# KiCad board KES.kicad_pcb (continued)
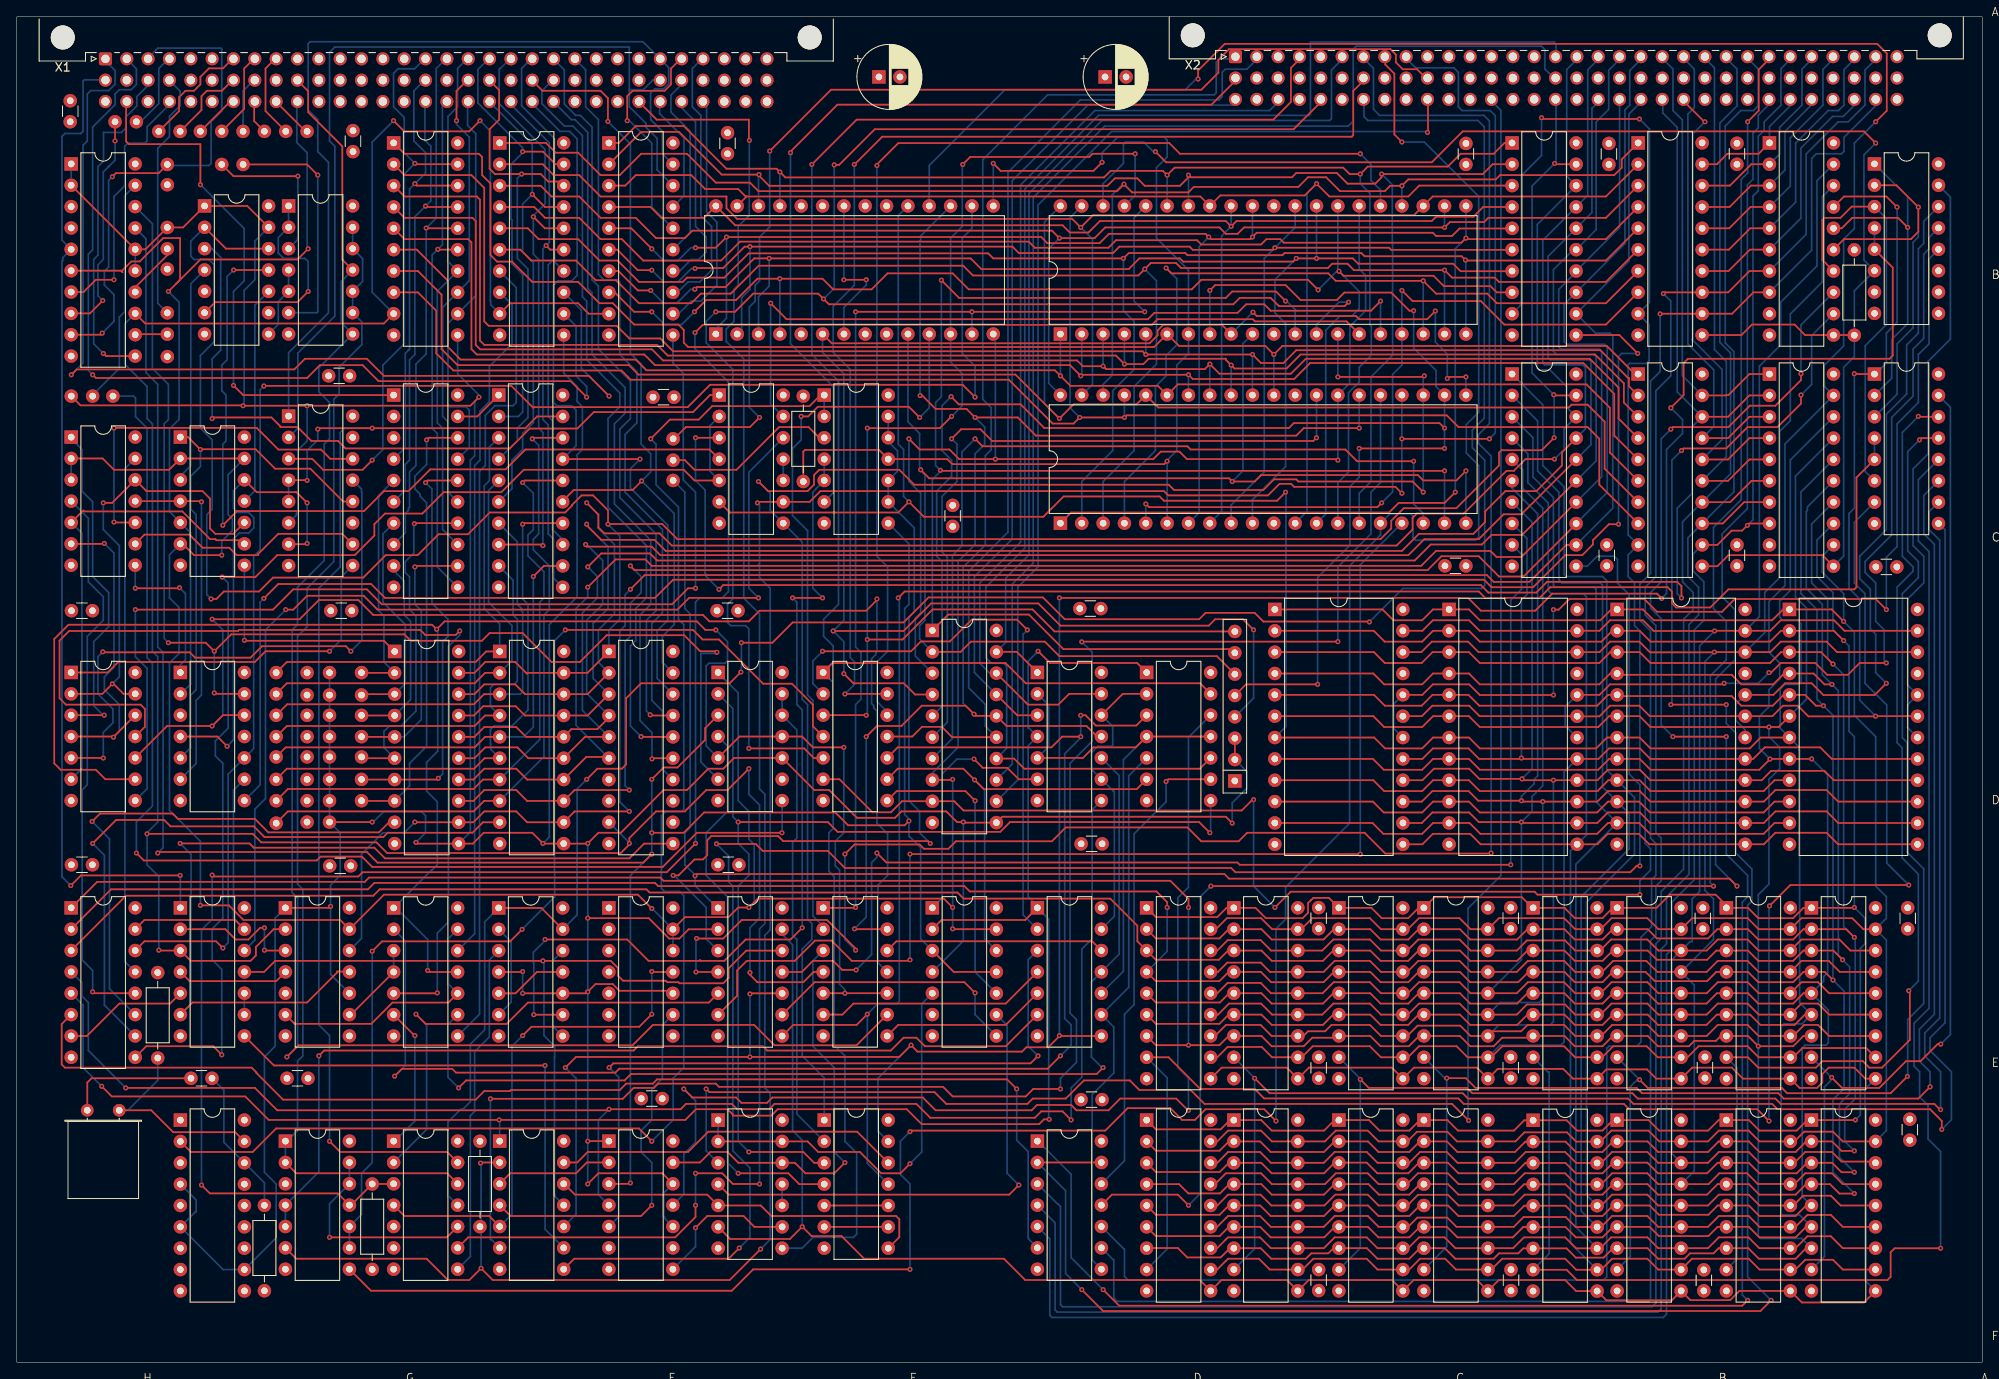
[diagram p0: board, top side]
## Nets (continued)
-DAT2: FCAM1.17 X1.c27
-DAT3: FCAM1.16 X1.a28
-DAT4: FCAM1.15 X1.b28
-DAT5: FCAM1.14 X1.c28
-DAT6: FCAM1.13 X1.a29
-DAT7: FCAM1.12 X1.c29
-DMACS: CAAS1.16 EQBM1.13
-DMARDY0: EGCO1.13 X2.b7
-EIN8: BOAM1.11 GSCO1.8
-EIN16: FCAM1.11 HECO1.8
-HALT: DUCK1.13 X2.b16
-HALTI: CABM1.18 DUCK1.7
-IEO: DACO1.13 EGCO1.1 EQEI1.8 X2.a4
-INH: DKEK1.11 X2.a26
-INIT: GSBQ1.5 GSCO1.2 HEAO1.6 X1.c10
-INT: CABM1.16 GIEK1.8 X2.a8
-INT0: X1.a7 X9.8.1
-INT1: X1.b7 X9.7.1
-INT2: X1.c7 X9.6.1
-INT3: X1.a8 X9.5.1
-INT4: X1.b8 X9.4.1
-INT5: X1.c8 X9.3.1
-INT6: X1.a9 X9.2.1
-INT7: X1.c9 X9.1.1
-INTA: EQEI1.3 X2.c13
-INTI: CAAS1.37 DUAS1.12 EGCO1.3 R2.8
-IORQ: DKCO1.13 DUCK1.18 X2.c3
-IORQI: CAAS1.10 CABM1.20 DUAS1.10 DUCK1.2 R2.6
-IOWC: FWBM1.1 X1.c2
-KESCLK: X2.b10 X701.1
-M1: DKCO1.3 DUCK1.17 X2.c1
-M1I: CAAS1.26 CABM1.27 DUAS1.14 DUCK1.3
-MRD: AEAO1.4 AEAO1.5 DKDM1.8 EGEI1.13 EQDM1.10 FMEK1.10
-MRDC: FMAM1.13 X1.a1
-MRDWR: AEBK1.4 AEBK1.5 EGEI1.11 EQDM1.8
-MREQ: DKCO1.1 DUCK1.19 X2.a6
-MRQI: CAAS1.12 CABM1.19 DUCK1.1 R2.7
-MWTC: FMAM1.12 X1.a2
-NMI: EQDM1.4 X2.a7
-NMI2: CABM1.17 EQDM1.6
-RD: DKCO1.11 DUCK1.16 EGDM1.13 X2.a1
-RDI: CAAS1.9 CABM1.21 DUAS1.6 DUCK1.4 R2.4
-RESET: DUCK1.12 X2.c10
-RESETI: CABM1.26 DUAS1.17 DUCK1.8 DUDM1.13 EQCO1.1 FCDM1.12 FCDM1.13 GIDM1.13 GSBQ1.2 GSBQ1.6 GSBQ1.13 HEBQ1.2 HEBQ1.3
-RFSH: DACO1.10 DUCK1.14 X2.a16
-RFSHI: CABM1.28 DUCK1.6
-S1: FWCM1.9 HEDM1.11
-S2: FMCM1.9 HEDM1.10
-SCLK: EQDM1.1 X2.c26 X703.1
-WAIT: CABM1.24 EQBM1.9 FMEK1.2 GIEK1.6 R5.1 X2.a9
-WAKEUP: FMBM1.19 FWEK1.13 GIBO1.4 GIBO1.5
-WERAM: AKDM1.10 AKEI1.10 ASDM1.10 ASEI1.10 BEDM1.10 BEEI1.10 BMDM1.10 BMEI1.10 BWDM1.10 BWEI1.10 CGDM1.10 CGEI1.10 CQDM1.10 CQEI1.10 DADM1.10 DAEI1.10 EQDM1.13 EQEI1.6
-WR: DUCK1.15 EGCO1.11 X2.a2
-WRI: CAAS1.8 CABM1.22 DUCK1.5 R2.5
-XACK: EGDM1.9 GIAS1.8 GIAS1.11 X1.b10
/2.05: AGCI1.3 AKDM1.2 AKEI1.2 AQBK1.14 ASDM1.2 ASEI1.2 AWCI1.3 BEDM1.2 BEEI1.2 BMDM1.2 BMEI1.2 BOCI1.3 BWDM1.2 BWEI1.2 CGCI1.3 CGDM1.2 CGEI1.2 CQDM1.2 CQEI1.2 DADM1.2 DAEI1.2
/2.06: AGCI1.2 AKDM1.1 AKEI1.1 AQBK1.13 ASDM1.1 ASEI1.1 AWCI1.2 BEDM1.1 BEEI1.1 BMDM1.1 BMEI1.1 BOCI1.2 BWDM1.1 BWEI1.1 CGCI1.2 CGDM1.1 CGEI1.1 CQDM1.1 CQEI1.1 DADM1.1 DAEI1.1
/2.07: AGCI1.1 AKDM1.17 AKEI1.17 AQBK1.12 ASDM1.17 ASEI1.17 AWCI1.1 BEDM1.17 BEEI1.17 BMDM1.17 BMEI1.17 BOCI1.1 BWDM1.17 BWEI1.17 CGCI1.1 CGDM1.17 CGEI1.17 CQDM1.17 CQEI1.17 DADM1.17 DAEI1.17
/2.08: AGCI1.23 AKDM1.16 AKEI1.16 AQAM1.19 ASDM1.16 ASEI1.16 AWCI1.23 BEDM1.16 BEEI1.16 BMDM1.16 BMEI1.16 BOCI1.23 BWDM1.16 BWEI1.16 CGCI1.23 CGDM1.16 CGEI1.16 CQDM1.16 CQEI1.16 DADM1.16 DAEI1.16
/2.09: AGCI1.22 AKDM1.15 AKEI1.15 AQAM1.18 ASDM1.15 ASEI1.15 AWCI1.22 BEDM1.15 BEEI1.15 BMDM1.15 BMEI1.15 BOCI1.22 BWDM1.15 BWEI1.15 CGCI1.22 CGDM1.15 CGEI1.15 CQDM1.15 CQEI1.15 DADM1.15 DAEI1.15
/2.10: AEBK1.1 AGCI1.19 AQAM1.17 AWCI1.19 BOCI1.19 CGCI1.19
/3.00: AGCI1.9 AKEI1.14 ASEI1.14 AWCI1.9 BEEI1.14 BMEI1.14 BOBK1.1 BOCI1.9 BWEI1.14 CGCI1.9 CGEI1.14 CQEI1.14 DAEI1.14
/3.01: AGCI1.10 AKEI1.13 ASEI1.13 AWCI1.10 BEEI1.13 BMEI1.13 BOBK1.2 BOCI1.10 BWEI1.13 CGCI1.10 CGEI1.13 CQEI1.13 DAEI1.13
/3.02: AGCI1.11 AKEI1.12 ASEI1.12 AWCI1.11 BEEI1.12 BMEI1.12 BOBK1.3 BOCI1.11 BWEI1.12 CGCI1.11 CGEI1.12 CQEI1.12 DAEI1.12
/3.03: AGCI1.13 AKEI1.11 ASEI1.11 AWCI1.13 BEEI1.11 BMEI1.11 BOBK1.4 BOCI1.13 BWEI1.11 CGCI1.13 CGEI1.11 CQEI1.11 DAEI1.11
/3.04: AGCI1.14 AKDM1.14 ASDM1.14 AWCI1.14 BEDM1.14 BMDM1.14 BOBK1.5 BOCI1.14 BWDM1.14 CGCI1.14 CGDM1.14 CQDM1.14 DADM1.14
/3.05: AGCI1.15 AKDM1.13 ASDM1.13 AWCI1.15 BEDM1.13 BMDM1.13 BOBK1.6 BOCI1.15 BWDM1.13 CGCI1.15 CGDM1.13 CQDM1.13 DADM1.13
/3.06: AGCI1.16 AKDM1.12 ASDM1.12 AWCI1.16 BEDM1.12 BMDM1.12 BOBK1.7 BOCI1.16 BWDM1.12 CGCI1.16 CGDM1.12 CQDM1.12 DADM1.12
/3.07: AGCI1.17 AKDM1.11 ASDM1.11 AWCI1.17 BEDM1.11 BMDM1.11 BOBK1.8 BOCI1.17 BWDM1.11 CGCI1.17 CGDM1.11 CQDM1.11 DADM1.11
/A12: AEAO1.2 AEBK1.3 AQAM1.15
/A13: AEAO1.3 AEBK1.6 AQAM1.14
/Blatt 2/6.00: BCBK1.1 CAAS1.6 CABM1.30 FWAM1.1
/Blatt 2/6.01: BCBK1.2 CAAS1.5 CABM1.31 FWAM1.2
/Blatt 2/6.02: BCBK1.3 CAAS1.4 CABM1.32 FWAM1.3
/Blatt 2/6.03: BCBK1.4 CAAS1.3 CABM1.33 FWAM1.4
/Blatt 2/6.04: BCBK1.5 CAAS1.2 CABM1.34 FWAM1.5
/Blatt 2/6.05: BCBK1.6 CAAS1.1 CABM1.35 FWAM1.6
/Blatt 2/6.06: BCBK1.7 CAAS1.40 CABM1.36 FWAM1.7
/Blatt 2/6.07: BCBK1.8 CAAS1.39 CABM1.37 FWAM1.8
/Blatt 2/6.08: BCAM1.1 CAAS1.24 CABM1.38 FMAM1.1
/Blatt 2/6.09: BCAM1.2 CAAS1.23 CABM1.39 FMAM1.2
/Blatt 2/6.10: BCAM1.3 CAAS1.22 CABM1.40 FMAM1.3
/Blatt 2/6.11: BCAM1.4 CAAS1.21 CABM1.1 FMAM1.4
/Blatt 2/6.12: BCAM1.5 CAAS1.20 CABM1.2 FMAM1.5
/Blatt 2/6.13: BCAM1.6 CAAS1.19 CABM1.3 FMAM1.6
/Blatt 2/6.14: BCAM1.7 CAAS1.18 CABM1.4
/Blatt 2/6.15: BCAM1.8 CAAS1.17 CABM1.5
/Blatt 2/7.00: BOAM1.1 CAAS1.35 CABM1.14 DUAS1.25 FCAM1.1
/Blatt 2/7.01: BOAM1.2 CAAS1.34 CABM1.15 DUAS1.26 FCAM1.2
/Blatt 2/7.02: BOAM1.3 CAAS1.33 CABM1.12 DUAS1.27 FCAM1.3
/Blatt 2/7.03: BOAM1.4 CAAS1.32 CABM1.8 DUAS1.28 FCAM1.4
/Blatt 2/7.04: BOAM1.5 CAAS1.31 CABM1.7 DUAS1.1 FCAM1.5
/Blatt 2/7.05: BOAM1.6 CAAS1.29 CABM1.9 DUAS1.2 FCAM1.6
/Blatt 2/7.06: BOAM1.7 CAAS1.28 CABM1.10 DUAS1.3 FCAM1.7
/Blatt 2/7.07: BOAM1.8 CAAS1.27 CABM1.13 DUAS1.4 FCAM1.8
/Blatt 2/8.01: FWBM1.5 FWCM1.2 J1.1
/Blatt 2/8.02: FWBM1.7 FWCM1.3 J3.1
/Blatt 2/8.03: FWBM1.9 FWCM1.4 J5.1
/Blatt 2/8.04: FWBM1.12 FWCM1.5 J6.1
/Blatt 2/8.05: FWBM1.14 FWCM1.6 J9.1
/Blatt 2/8.06: FWBM1.16 FWCM1.7 J10.1
/Blatt 2/8.07: FWBM1.18 FWCM1.8 J11.1
/Blatt 2/8.08: FMBM1.3 FMCM1.1 J17.1
/Blatt 2/8.09: FMBM1.5 FMCM1.2 J18.1
/Blatt 2/8.10: FMBM1.7 FMCM1.3 J19.1
/Blatt 2/8.11: FMBM1.9 FMCM1.4 J20.1
/Blatt 2/8.12: FMBM1.12 FMCM1.5 J21.1
/Blatt 2/8.13: FMBM1.14 FMCM1.6 J22.1
/Blatt 2/8.14: FMBM1.16 FMCM1.7 J23.1
/Blatt 2/8.15: FMBM1.18 FMCM1.8 J24.1
/Blatt 3/11.40: DACO1.1 DKCO1.4 DKDM1.1 DUDM1.2 FMEK1.1 HEDM1.5
/Blatt 3/11.53: DKEK1.6 HEDM1.6
/Blatt 3/11.60: DKCO1.8 FCEK1.4 HEDM1.4
/Blatt 3/11.66: GSCO1.9 GSDM1.13 HEDM1.15
/Blatt 3/11.87: EQCO1.8 X1009.1
/Blatt 3/11.88: DACO1.9 DKEK1.12
/Blatt 3/11.91: GIAS1.6 X9.9.1
/Blatt 3/11.92: EQCO1.6 GSCO1.13 HEAO1.18
/Blatt 3/11.97: GIAS1.3 X9.10.1
A0: AGCI1.8 AKDM1.5 AKEI1.5 AQBK1.19 ASDM1.5 ASEI1.5 AWCI1.8 BEDM1.5 BEEI1.5 BMDM1.5 BMEI1.5 BOCI1.8 BWDM1.5 BWEI1.5 CGCI1.8 CGDM1.5 CGEI1.5 CQDM1.5 CQEI1.5 DADM1.5 DAEI1.5 DUAS1.18
A1: AGCI1.7 AKDM1.6 AKEI1.6 AQBK1.18 ASDM1.6 ASEI1.6 AWCI1.7 BEDM1.6 BEEI1.6 BMDM1.6 BMEI1.6 BOCI1.7 BWDM1.6 BWEI1.6 CGCI1.7 CGDM1.6 CGEI1.6 CQDM1.6 CQEI1.6 DADM1.6 DAEI1.6 DUAS1.19 EQBM1.6
A2: AGCI1.6 AKDM1.7 AKEI1.7 AQBK1.17 ASDM1.7 ASEI1.7 AWCI1.6 BEDM1.7 BEEI1.7 BMDM1.7 BMEI1.7 BOCI1.6 BWDM1.7 BWEI1.7 CGCI1.6 CGDM1.7 CGEI1.7 CQDM1.7 CQEI1.7 DADM1.7 DAEI1.7 HEDM1.1
A3: AGCI1.5 AKDM1.4 AKEI1.4 AQBK1.16 ASDM1.4 ASEI1.4 AWCI1.5 BEDM1.4 BEEI1.4 BMDM1.4 BMEI1.4 BOCI1.5 BWDM1.4 BWEI1.4 CGCI1.5 CGDM1.4 CGEI1.4 CQDM1.4 CQEI1.4 DADM1.4 DAEI1.4 HEDM1.2
A4: AGCI1.4 AKDM1.3 AKEI1.3 AQBK1.15 ASDM1.3 ASEI1.3 AWCI1.4 BEDM1.3 BEEI1.3 BMDM1.3 BMEI1.3 BOCI1.4 BWDM1.3 BWEI1.3 CGCI1.4 CGDM1.3 CGEI1.3 CQDM1.3 CQEI1.3 DADM1.3 DAEI1.3 HEDM1.3
A14: AQAM1.13 DKEK1.1
A15: AQAM1.12 DKEK1.2 DKEK1.13
BAO: BCAM1.9 BCBK1.9 BOAM1.9 DUCK1.9 EGCO1.6
BRSPF: FCDM1.8
CLKSK: CAAS1.7 CABM1.6 DUAS1.15 EGBM1.11 R6.1
DIRMEM: BOBK1.11 FMEK1.8
DRDY: CAAS1.25 EGCO1.12
H1: AEAO1.6 AQAM1.11 AQBK1.11 BCAM1.11 BCBK1.11 CAAS1.38 R1.1
H2: DUCK1.11 DUDM1.4 EQCO1.10 EQDM1.2 FCDM1.10 FCEK1.1 FCEK1.10 FCEK1.12 FMAM1.11 FMCM1.11 FMDM1.4 FMDM1.10 FWAM1.11 FWCM1.11 GIBO1.6 GIDM1.1 GIDM1.10 GQAS1.1 GQAS1.13 GSEI1.4 GSEI1.6 GSEI1.11 HEAO1.1 HEAO1.2 HEAO1.15 HEAO1.16 J12.1 J16.1 J33.1 J34.1 J35.1 J36.1 J37.1 J38.1 R2.2 R2.3 X1003.1 X1011.1
IEDC: DUAS1.11 EGDM1.2
IEOD: CAAS1.36 DUAS1.13 EGDM1.1
KAN: FWCM1.1 GSBQ1.8
RD16: FMAM1.7 FWDM1.8
STBMAP: FCCM1.11 GIDM1.11 GSDM1.6
WR16: FMAM1.8 FWDM1.12
Net-(AEAO1-A0): AEAO1.1 AEBK1.2 AQAM1.16
Net-(AEAO1-O0): AEAO1.15 AGCI1.18 AGCI1.20
Net-(AEAO1-O1): AEAO1.14 AWCI1.18 AWCI1.20
Net-(AEAO1-O2): AEAO1.13 BOCI1.18 BOCI1.20
Net-(AEAO1-O3): AEAO1.12 CGCI1.18 CGCI1.20
Net-(AEBK1-O0): AEBK1.15 AKDM1.8 AKEI1.8
Net-(AEBK1-O1): AEBK1.14 ASDM1.8 ASEI1.8
Net-(AEBK1-O2): AEBK1.13 BEDM1.8 BEEI1.8
Net-(AEBK1-O3): AEBK1.12 BMDM1.8 BMEI1.8
Net-(AEBK1-O4): AEBK1.11 BWDM1.8 BWEI1.8
Net-(AEBK1-O5): AEBK1.10 CGDM1.8 CGEI1.8
Net-(AEBK1-O6): AEBK1.9 CQDM1.8 CQEI1.8
Net-(AEBK1-O7): AEBK1.7 DADM1.8 DAEI1.8
Net-(C300-Pad1): C300.1 Y1.1
Net-(DACO1-Pad2): DACO1.2 DKCO1.9 DKCO1.12 DKDM1.13
Net-(DACO1-Pad3): DACO1.3 EGCO1.10 FWDM1.2
Net-(DACO1-Pad5): DACO1.5 DKDM1.9 DKEK1.8
Net-(DACO1-Pad6): DACO1.6 DUDM1.12 EGCO1.9
Net-(DACO1-Pad8): DACO1.8 EGEI1.3 EQCO1.2
Net-(DACO1-Pad11): DACO1.4 DACO1.11 DKCO1.2 DKCO1.5 DKDM1.10
Net-(DACO1-Pad12): DACO1.12 FCEK1.11
Net-(DKCO1-Pad6): DKCO1.6 DUDM1.1
Net-(DKCO1-Pad10): DKCO1.10 DKDM1.11 FWDM1.9
Net-(DKDM1-Pad2): DKDM1.2 EGCO1.2
Net-(DKDM1-Pad3): DKDM1.3 FCEK1.5
Net-(DKDM1-Pad4): DKDM1.4 EGDM1.6
Net-(DKDM1-Pad5): DKDM1.5 EGDM1.8
Net-(DKDM1-Pad6): DKDM1.6 GIEK1.4 GIEK1.5
Net-(DKDM1-Pad12): DKDM1.12 EGDM1.12
Net-(DUAS1-C/TRG1): DUAS1.7 DUAS1.22
Net-(DUDM1-Pad5): DUDM1.5 EQEI1.1 EQEI1.2 EQEI1.13
Net-(DUDM1-Pad8): DUDM1.8 EQDM1.9
Net-(DUDM1-Pad9): DUDM1.9 EQEI1.4
Net-(DUDM1-Pad10): DUDM1.10 EGCO1.8
Net-(EGBM1-Pad4): EGBM1.4 EGBM1.5 FMDM1.9
Net-(EGBM1-Pad10): EGBM1.9 EGBM1.10 EGBM1.12 EGBM1.13 EQDM1.3
Net-(EGCO1-Pad4): EGCO1.4 GIEK1.9 GIEK1.10
Net-(EGDM1-Pad3): EGDM1.3 EQEI1.12 FCEK1.13
Net-(EGDM1-Pad10): EGDM1.5 EGDM1.10 EQCO1.5 EQCO1.11 FWDM1.1 FWDM1.11 HECO1.9
Net-(EGDM1-Pad11): EGDM1.11 GSCO1.12 HECO1.10
Net-(EGEI1-Pad2): EGEI1.2 EQCO1.12 EQCO1.13 FWEK1.5
Net-(EGEI1-Pad4): EGEI1.4 EQCO1.4
Net-(EGEI1-Pad6): EGEI1.6 EGEI1.9
Net-(EGEI1-Pad8): EGEI1.8 EQEI1.5 FMEK1.12
Net-(EGEI1-Pad10): EGEI1.5 EGEI1.10
Net-(EGEI1-Pad12): EGEI1.12 FMEK1.13
Net-(EQBM1-Pad1): EQBM1.1 GQAS1.3
Net-(EQBM1-Pad4): EQBM1.4 GQAS1.11
Net-(EQBM1-Pad10): EQBM1.10 EQBM1.11
Net-(EQBM1-Pad12): EQBM1.12 GSDM1.12
Net-(EQDM1-Pad5): EQDM1.5 FWEK1.2
Net-(EQDM1-Pad12): EQDM1.12 FMEK1.11 GSDM1.11
Net-(EQEI1-Pad9): EQEI1.9 FCEK1.8
Net-(EQEI1-Pad10): EQEI1.10 EQEI1.11
Net-(FCDM1-Pad9): FCDM1.9 FMEK1.4
Net-(FCDM1-Pad11): FCDM1.11 FMEK1.5 FWEK1.4
Net-(FCEK1-Pad2): FCEK1.2 FMEK1.3
Net-(FMBM1-CR): FMBM1.1 FWBM1.19
Net-(FMDM1-Pad2): FMDM1.2 FMDM1.6
Net-(FMDM1-Pad3): FMDM1.3 FWEK1.8
Net-(FMDM1-Pad11): FMDM1.5 FMDM1.11
Net-(FMDM1-Pad12): FMDM1.8 FMDM1.12
Net-(FMEK1-Pad9): FMEK1.9 GSDM1.8
Net-(FWDM1-Pad3): FWDM1.3 FWDM1.4 GIDM1.9
Net-(FWDM1-Pad5): FWDM1.5 HECO1.11
Net-(FWDM1-Pad6): FWDM1.6 FWEK1.1
Net-(FWDM1-Pad10): FWDM1.10 FWDM1.13 GIDM1.6
Net-(FWEK1-Pad10): FWEK1.10 GIEK1.12 GIEK1.13
Net-(FWEK1-Pad12): FWEK1.12 GIAS1.9 GIAS1.10 GIAS1.12 GIAS1.13 GIEK1.1 GIEK1.2
Net-(GIAS1-Pad1): GIAS1.1 GIAS1.2 GQAS1.6
Net-(GIAS1-Pad4): GIAS1.4 GIAS1.5 GQAS1.8
Net-(GIBO1-O1): GIBO1.14 HEBQ1.10
Net-(GIBO1-O2): GIBO1.13 HECO1.5
Net-(GIBO1-O3): GIBO1.12 GSBQ1.1 GSCO1.5
Net-(GIBO1-O5): GIBO1.10 HEBQ1.9
Net-(GIBO1-O6): GIBO1.9 HECO1.1
Net-(GIBO1-O7): GIBO1.7 GSBQ1.12 GSCO1.4
Net-(GIDM1-Pad3): GIDM1.3 GSDM1.2
Net-(GIDM1-Pad4): GIDM1.4 GSDM1.4
Net-(GQAS1-Pad4): GQAS1.4 GSBQ1.3
Net-(GQAS1-Pad10): GQAS1.10 GSBQ1.11
Net-(GSBQ1-Pad4): GSBQ1.4 GSCO1.6 HEBQ1.11
Net-(GSBQ1-Pad9): GSBQ1.9 HEBQ1.5 HECO1.6
Net-(GSBQ1-Pad10): GSBQ1.10 HEBQ1.12 HECO1.2 HECO1.13
Net-(GSCO1-Pad1): GSCO1.1 HEBQ1.8
Net-(GSDM1-Pad10): GSDM1.9 GSDM1.10
Net-(GSEI1-PC): EGBM1.1 EGBM1.2 GSEI1.2
Net-(GSEI1-X1): GSEI1.17 R3.2 Y1.2
Net-(GSEI1-X2): C300.2 GSEI1.16 R4.2
Net-(HEAO1-ANYRQ): HEAO1.14 X1004.1
Net-(HEAO1-BPRO): HEAO1.8 X1013.1
Net-(HEAO1-C): DUDM1.3 DUDM1.11 EGBM1.8 EQCO1.3 FCEK1.3 HEAO1.17
Net-(HEAO1-CBRQ): HEAO1.12 X1007.1
Net-(HEAO1-S1): HEAO1.19 X1010.1
Net-(HEBQ1-Pad1): HEBQ1.1 HECO1.3
Net-(HEBQ1-Pad6): HEBQ1.6 HECO1.4 HECO1.12
Net-(HEDM1-O2): HEBQ1.13 HEDM1.13
Net-(HEDM1-O3): HEBQ1.4 HEDM1.12
Net-(HEDM1-O6): EQBM1.2 EQBM1.5 HEDM1.9
Net-(HEDM1-O7): GSDM1.5 HEDM1.7
Net-(X702-Pin_1): EGBM1.3 X702.1

Pads without a net: AEAO1 7 9 10 11; DUAS1 8 9 20 21 23; DUDM1 6; EQCO1 9; FCCM1 7 8 12 13; FCDM1 1 2 3 4 5 6; FCEK1 6 9; GIBO1 11 15; GIDM1 5 8; GIEK1 3; GQAS1 5 9; GSCO1 3 11; GSEI1 3 5 7 8 10 12 15; X1 a5 a6 a10 a13 a24 a25 a26 a30 a31 a32 b5 b11 b12 b14 b15 b24 b25 b30 b31 c1 c3 c5 c6 c11 c12 c13 c14 c15 c23 c30 c31 c32; X2 a3 a5 a10 a13 a32 b3 b4 b5 b8 b11 b12 b14 b15 b18 b19 b21 b22 b24 b25 b27 b28 b30 b31 c2 c4 c8 c9 c11 c12 c14 c15 c17 c23 c29 c32

## Via types
v1: diameter 0.6, hole 0.3, Top to Bottom, 490 vias

## Routing (per net, layer and track width the routed paths; a pad name or vN(x,y) marks a point on that pad's centre or on a via; arc(x,y) is an arc through that point)
-A0: length 51
  Top w0.2: AQBK1.1 206.21,117.55 203.72,115.05 203.46,115.05 203.42,115.01 BCBK1.19
  Bottom w0.2: BCBK1.19 198.23,117.37 198.23,147.79 197.11,148.91 197.11,153.84 195.9,155.05
-A1: length 210.8
  Top w0.2: EQBM1.3 80.78,109.97 v1(80.78,109.97) ; AQBK1.2 206.21,115.01 203.67,112.47 BCBK1.18 ; v1(198.13,90.92) 198.13,92.32 197.62,92.83 182.13,92.83 180.86,91.56 175.14,91.56 174.25,92.45 84.08,92.45 v1(83.57,91.94)
  Bottom w0.2: v1(80.78,109.97) 80.78,104.89 81.92,103.75 81.92,93.85 82.05,93.72 82.05,93.46 v1(83.57,91.94) ; v1(198.13,90.92) 197.62,91.43 197.62,101.59 199.4,103.37 199.4,111.28 BCBK1.18 197.62,115.44 197.62,146.9 195.9,148.62 195.9,149.97
-A2: length 56.8
  Top w0.2: AQBK1.3 206.21,112.47 203.67,109.93 BCBK1.17
  Bottom w0.2: BCBK1.17 201.97,111.31 201.97,118.05 198.89,121.13 198.89,148.47 199.65,149.23 199.65,153.84 198.44,155.05
-A3: length 55.8
  Top w0.2: v1(200.92,147.57) 200.84,147.57 198.44,149.97 ; BCBK1.16 203.67,107.39 206.21,109.93 AQBK1.4
  Bottom w0.2: BCBK1.16 202.95,109.75 202.95,118.1 199.4,121.66 199.49,121.75 199.49,146.13 v1(200.92,147.57)
-A4: length 61.5
  Top w0.2: AQBK1.5 206.21,107.39 203.67,104.85 BCBK1.15
  Bottom w0.2: BCBK1.15 203.47,107.73 203.47,119.05 202.06,120.47 202.06,153.97 201.97,154.05 201.97,154.06 200.98,155.05
-A5: length 250.4
  Top w0.2: BCBK1.14 203.93,102.31 206.47,104.85 AQBK1.6
  Bottom w0.2: DKEK1.3 123.9,18.79 123.96,18.79 124.21,18.53 124.21,6.85 124.47,6.6 194.64,6.6 195.08,7.04 195.08,49.78 195.72,50.41 195.72,56 198.38,58.67 198.38,88.38 199.53,89.53 199.53,91.56 198.25,92.83 198.25,99.98 BCBK1.14 203.97,105.69 203.97,120.05 202.7,121.32 202.7,147.41 204.73,149.45 204.73,153.84 203.52,155.05
-A6: length 251.6
  Top w0.2: BCBK1.13 203.04,99.77 205.58,102.31 AQBK1.7
  Bottom w0.2: DKEK1.4 123.58,16.57 123.58,6.22 123.83,5.96 195.33,5.96 195.72,6.34 195.72,49.14 196.35,49.78 196.35,55.36 199.02,58.03 199.02,87.75 200.16,88.89 200.16,92.19 198.89,93.46 198.89,98.07 BCBK1.13 204.37,103.55 204.37,120.22 203.34,121.25 203.34,147.06 205.17,148.9 206.7,148.9 207.27,149.47 207.27,153.84 206.06,155.05
-A7: length 245.9
  Top w0.2: AQBK1.8 206.19,99.77 v1(205.97,99.55) 205.34,98.93 204.1,98.93 202.4,97.23 BCBK1.12
  Bottom w0.2: DKEK1.5 122.94,14.67 122.94,5.58 123.2,5.33 195.97,5.33 196.35,5.71 196.35,48.51 196.98,49.14 196.98,54.73 199.65,57.4 199.65,87.11 200.79,88.26 200.79,92.83 199.49,94.13 199.49,96.13 BCBK1.12 ; v1(205.97,99.55) 206.64,100.22 206.64,138.72 207.27,139.35 207.27,145.85 207.97,146.55 207.97,147.55 209.97,149.55 209.97,153.88 211.14,155.05
-A8: length 14.6
  Top w0.2: BCAM1.19 202.34,142.51 203.59,143.76 207.31,143.76 AQAM1.1
  Bottom w0.2: AQAM1.1 208.6,146.99 211.14,149.53
-A9: length 23.7
  Top w0.2: BCAM1.18 203.89,139.97 206.43,142.51 AQAM1.2
  Bottom w0.2: 213.68,155.05 212.47,153.84 212.47,149.55 209.81,146.89 209.81,143.72 AQAM1.2
-AA: length 20.9
  Top w0.2: BCAM1.17 203.85,137.43 206.39,139.97 AQAM1.3
  Bottom w0.2: AQAM1.3 210.45,141.82 210.45,146.42 213.68,149.66
-AB: length 29.8
  Top w0.2: AQAM1.4 206.35,137.43 203.81,134.89 BCAM1.16
  Bottom w0.2: AQAM1.4 211.08,139.91 211.08,145.66 214.97,149.55 214.97,153.8 216.22,155.05
-AC: length 34.2
  Top w0.2: BCAM1.15 203.77,132.35 206.31,134.89 AQAM1.5
  Bottom w0.2: 218.76,155.05 217.47,153.76 217.47,149.55 216.82,148.9 215.59,148.9 211.72,145.03 211.72,138.01 AQAM1.5
-ACLK: length 100.8
  Top w0.2: 145.1,152.51 142.19,149.6 97.67,149.6 91.96,143.88
  Bottom w0.2: v1(92.08,143.88) 92.08,121.15 97.2,116.03 97.2,103.45 EGBM1.6
-AD: length 31.2
  Top w0.2: BCAM1.14 203.73,129.81 206.27,132.35 AQAM1.6
  Bottom w0.2: AQAM1.6 212.35,136.1 212.35,144.43 216.12,148.2 217.38,148.2 218.76,149.58
-ADR0: length 69.7
  Top w0.2: v1(47.38,142.61) 47.48,142.51 FWAM1.19 ; GIBO1.3 35.15,107.47 36.46,106.16 41.16,106.16 v1(42.3,107.31)
  Bottom w0.2: v1(42.3,107.31) 43.57,108.58 43.57,118.61 46.13,121.18 46.13,141.37 v1(47.38,142.61) 46.11,143.88 46.11,148.07 44.84,149.34 44.84,153.33 45.37,153.87 47.35,153.87 48.57,155.09
-ADR1: length 53
  Top w0.2: v1(47.38,140.2) 47.61,139.97 FWAM1.18
  Bottom w0.2: FWBM1.4 46.24,108.82 46.24,120.01 46.62,120.39 46.64,120.39 46.74,120.49 46.74,139.57 v1(47.38,140.2) 48.65,141.47 48.65,143.88 47.25,145.28 47.25,151.23 48.57,152.55
-ADR2: length 53.7
  Top w0.2: v1(48.65,137.53) 48.75,137.43 FWAM1.17
  Bottom w0.2: 48.57,150.01 48.57,145.36 49.28,144.65 49.28,138.17 v1(48.65,137.53) 47.38,136.26 47.38,119.88 46.74,119.25 46.74,107.31 46.24,106.8 46.24,103.74 FWBM1.6
-ADR3: length 64.2
  Top w0.2: v1(48.73,134.92) 48.75,134.89 FWAM1.16
  Bottom w0.2: FWBM1.8 46.24,98.66 46.24,100.96 46.62,101.34 46.62,101.59 46.74,101.72 46.74,105.91 47.51,106.67 47.51,118.74 48.73,119.96 v1(48.73,134.92) 49.92,136.11 49.92,153.9 51.11,155.09
-ADR4: length 61.5
  Top w0.2: v1(50.11,132.39) 50.15,132.35 FWAM1.15
  Bottom w0.2: FWBM1.11 50.05,94.61 50.05,110.48 49.44,111.09 49.44,131.72 v1(50.11,132.39) 50.66,132.94 50.66,149.56
-ADR5: length 61.3
  Bottom w0.2: FWBM1.13 50.68,99.06 50.68,111.12 50.05,111.75 50.05,127.39 FWAM1.14 51.32,130.96 51.32,148.2 52.46,149.34 52.46,153.9 53.65,155.09
-ADR6: length 53.4
  Top w0.2: 53.65,152.55 52.33,151.23 v1(52.33,147.69)
  Bottom w0.2: FWBM1.15 51.32,103.5 51.32,111.88 50.68,112.51 50.68,125.48 FWAM1.13 53.86,128.66 53.86,145.74 52.33,147.26 v1(52.33,147.69)
-ADR7: length 47.1
  Bottom w0.2: 53.65,150.01 53.65,147.14 54.62,146.17 54.62,126.88 FWAM1.12 51.32,123.58 51.32,113.94 51.6,113.66 53.47,113.66 53.86,113.28 53.86,108.82 FWBM1.17
-ADR8: length 54.6
  Top w0.2: FMAM1.19 64.12,142.51 62.62,144.01 v1(60.21,144.01)
  Bottom w0.2: 56.19,155.09 54.87,153.77 54.87,149.81 60.21,144.47 v1(60.21,144.01) 60.21,143.88 58.81,142.49 58.81,136.01 58.94,135.88 58.94,130.68 60.21,129.41 60.21,113.02 59.69,112.51 FMBM1.2
-ADR9: length 56.6
  Top w0.2: 64.61,140.45 63.25,140.45 62.36,141.34 v1(60.08,141.34) 56.9,141.34 56.27,141.98 56.27,146.68 57.41,147.82 57.41,151.33 56.19,152.55
  Bottom w0.2: v1(60.08,141.34) 59.57,140.84 59.57,131.31 60.84,130.04 60.84,112.39 59.57,111.12 59.57,109.65 FMBM1.4
-ADR10: length 87.9
  Top w0.2: v1(75.38,77.02) 75.47,76.93 FCCM1.17
  Bottom w0.2: v1(75.38,77.02) 74.94,77.46 74.94,88.26 76.08,89.4 76.08,98.54 71.76,102.86 71.76,110.99 73.03,112.26 73.03,116.71 69.22,120.52 69.22,128.01 68.46,128.77 68.46,146.93 67.06,148.33 66.51,148.33 65.16,149.68 65.16,153.74 63.81,155.09
-ADR11: length 90.7
  Top w0.2: FCCM1.16 74.33,74.39 v1(74.3,74.41)
  Bottom w0.2: 63.81,152.55 62.49,151.23 62.49,149.73 65.16,147.06 66.17,147.06 67.32,145.92 67.32,126.74 67.83,126.23 67.83,119.25 71.76,115.31 71.76,113.66 70.37,112.26 70.37,101.72 74.94,97.15 74.94,90.92 73.67,89.65 73.67,85.84 73.03,85.21 73.03,75.68 v1(74.3,74.41)
-ADR12: length 88
  Top w0.2: FCCM1.15 75.68,71.85 v1(75.6,71.77)
  Bottom w0.2: v1(75.6,71.77) 75.6,74.9 74.18,76.32 74.18,88.89 75.45,90.16 75.45,97.78 71.13,102.1 71.13,111.63 72.4,112.9 72.4,115.94 68.46,119.88 68.46,127.25 67.95,127.75 67.95,146.3 66.43,147.82 66,147.82 63.81,150.01
-ADR13: length 93.9
  Bottom w0.2: FCCM1.14 76.84,70.56 76.84,77.46 75.57,78.73 75.57,87.88 76.84,89.15 76.84,99.05 72.4,103.5 72.4,110.36 73.8,111.75 73.8,117.85 71.76,119.88 71.76,128.52 71.51,128.77 71.25,128.77 71.19,128.71 69.92,128.71 69.22,129.41 69.22,147.82 67.7,149.34 67.7,153.74 66.35,155.09
-ADRA: length 56.9
  Top w0.2: v1(61.35,138.93) 62.85,137.43 FMAM1.17
  Bottom w0.2: 56.19,150.01 61.35,144.85 v1(61.35,138.93) 60.21,137.79 60.21,132.07 61.48,130.8 61.48,111.75 60.21,110.48 60.21,108.58 58.94,107.31 58.94,103.94 FMBM1.6
-ADRB: length 71.3
  Top w0.2: FMBM1.8 62.5,97.27 v1(62.62,97.15) ; v1(61.48,136.26) 62.85,134.89 FMAM1.16
  Bottom w0.2: v1(62.62,97.15) 62.62,110.61 62.11,111.12 62.11,131.18 61.48,131.82 v1(61.48,136.26) 61.48,136.39 62.87,137.79 62.87,144.26 57.41,149.73 57.41,153.79 57.54,153.92 57.56,153.92 58.73,155.09
-ADRC: length 63
  Top w0.2: v1(63,132.83) 63.48,132.35 FMAM1.15
  Bottom w0.2: FMBM1.11 63.89,93.27 63.89,93.97 63.87,93.99 63.87,97.93 63.25,98.54 63.25,111.5 62.62,112.13 62.62,132.45 v1(63,132.83) 63.38,133.22 63.38,145.05 58.73,149.7
-ADRD: length 62.3
  Bottom w0.2: 64.97,97.84 63.76,99.05 63.76,112.01 63.25,112.51 63.25,130.55 63.89,131.18 ; 63.89,131.18 63.89,131.01 FMAM1.14 ; 63.89,131.18 64.02,131.31 63.99,131.34 63.99,145.56 60.08,149.47 60.08,153.9 61.27,155.09
-ADRE: length 94
  Top w0.2: v1(70.35,147.6) 70.35,150.38 69.48,151.25 62.57,151.25 61.27,152.55 ; v1(74.37,104.83) 73.29,103.75 66.28,103.75 64.97,102.44
  Bottom w0.2: FCCM1.19 76.84,83.26 76.84,86.35 78.24,87.75 78.24,100.96 v1(74.37,104.83) 75.45,105.91 75.45,108.07 74.3,109.21 74.3,118.74 73.03,120.01 73.03,144.92 v1(70.35,147.6)
-ADRF: length 91
  Top w0.2: FMBM1.17 74.17,107.43 v1(74.18,107.43)
  Bottom w0.2: 61.27,149.8 64.65,146.42 65.79,146.42 66.68,145.53 66.68,129.28 66.05,128.64 64.4,128.64 63.87,128.12 63.87,114.18 64.27,113.78 66.05,113.78 66.56,113.28 66.56,109.02 FMBM1.17 ; v1(74.18,107.43) 73.03,106.29 73.03,104.01 77.48,99.56 77.48,88.26 76.21,86.99 76.21,81.35 FCCM1.18
-AE: length 238.3
  Top w0.2: AQAM1.7 206.23,129.81 203.69,127.27 BCAM1.13 196.12,127.27 v1(195.97,127.12)
  Bottom w0.2: DKEK1.9 130.51,12.18 130.56,12.18 130.56,7.61 130.94,7.23 194.19,7.23 194.44,7.49 194.44,50.16 195.08,50.79 195.08,56.63 195.72,57.27 195.72,62.35 195.08,62.98 195.08,87.62 193.81,88.89 193.81,92.19 195.08,93.46 195.08,115.56 196.86,117.34 196.86,126.23 v1(195.97,127.12) ; AQAM1.7 212.97,134.18 212.97,143.74 216.78,147.55 217.97,147.55 219.97,149.55 219.97,153.72 221.3,155.05
-AEN: length 318.7
  Top w0.2: v1(55.13,147.69) 53.86,146.42 46.11,146.42 v1(44.84,147.69) ; v1(16.9,49.01) 16.94,48.97 GSDM1.3 20.7,47.74 27.82,47.74 28.46,48.38 28.46,49.4 30.57,51.51 GIDM1.2 ; FCAM1.9 68.06,124.73 66.81,125.98 58.72,125.98 FMAM1.9 ; v1(87.13,70.6) 84.59,68.06 82.05,68.06 79.51,65.52 76.08,65.52 72.91,62.35 v1(72.91,61.71) 72.91,61.59 71.89,60.57 44.08,60.57 42.81,61.84 29.09,61.84 28.08,62.86 v1(15.5,62.86) ; EGDM1.4 94.83,46.43 93.61,45.2 88.15,45.2 87.26,46.09 v1(87.26,46.35) ; FWAM1.9 43.68,123.56 15.3,123.56 HEAO1.13
  Bottom w0.2: HEAO1.13 12.84,123.52 12.84,118.74 15.5,116.07 15.5,112.26 16.14,111.63 16.14,84.57 16.77,83.94 16.77,64.25 15.5,62.98 v1(15.5,62.86) 15.5,59.17 16.9,57.78 v1(16.9,49.01) ; v1(87.26,46.35) 87.26,51.68 88.4,52.82 88.4,66.29 87.13,67.56 v1(87.13,70.6) ; v1(44.84,147.69) 42.3,145.15 42.3,127.28 FWAM1.9 ; v1(55.13,147.69) 56.37,146.45 56.37,126.26 56.4,126.23 56.4,125.8 FMAM1.9 ; v1(72.91,61.71) 72.91,61.79 FCCM1.9
-AF: length 228.9
  Top w0.2: v1(195.59,124.71) 195.61,124.73 BCAM1.12 204.15,124.73 206.69,127.27 AQAM1.8
  Bottom w0.2: 221.3,149.53 217.47,145.7 217.47,144.05 217.18,143.76 214.18,143.76 213.62,143.2 213.62,132.29 AQAM1.8 ; DKEK1.10 131.78,13.45 131.83,13.45 131.83,10.2 132.27,9.77 188.86,9.77 189.24,10.15 189.24,37.33 189.49,37.58 192.79,37.58 193.3,38.09 193.3,50.54 194.57,51.81 194.57,57.4 195.08,57.9 195.08,61.71 194.44,62.35 194.44,86.99 193.18,88.26 193.18,92.58 194.44,93.85 194.44,116.71 195.59,117.85 v1(195.59,124.71)
-BAD: length 226.7
  Top w0.2: v1(158.5,126.1) 158.03,125.63 150.21,125.63 149.23,126.61 145.55,126.61 144.79,125.85 96.66,125.85 v1(96.02,126.48) 95.38,127.12 87.64,127.12 85.48,124.96 v1(83.19,124.96) ; v1(87.13,73.02) 93.71,73.02 94.84,71.89 EGCO1.5 ; 155.26,149.97 151.97,146.68 102.12,146.68 97.87,142.44 v1(97.29,142.44)
  Bottom w0.2: CAAS1.13 154.69,123.43 157.36,126.1 v1(158.5,126.1) ; v1(96.02,126.48) 97.29,127.75 v1(97.29,142.44) ; v1(83.19,124.96) 82.05,123.82 82.05,121.28 85.22,118.1 85.22,90.8 84.59,90.16 84.59,88 84.97,87.62 86.75,87.62 87.13,87.24 v1(87.13,73.02)
-BCLK: length 119.2
  Top w0.2: v1(19.44,57.9) 7.63,57.9 v1(6.42,56.7)
  Bottom w0.2: v1(6.42,56.7) 5.37,57.75 5.37,130.96 5.47,131.06 5.47,131.39 HEAO1.5 5.37,133.49 5.37,145.82 5.72,146.17 7.63,146.17 7.88,146.42 7.88,152.39 8.04,152.55 10.47,152.55 ; v1(19.44,57.9) 19.47,57.87 GSDM1.1
-BPRO: length 9.1
  Bottom w0.2: 18.09,155.09 16.9,153.9 16.9,149.73 14.61,147.44
-BREQ: length 30.4
  Top w0.2: v1(11.56,128.77) 9.41,128.77 7.95,127.31 HEAO1.7
  Bottom w0.2: v1(11.56,128.77) 11.56,138.68 12.84,139.95 12.84,144.65 13.22,145.03 15.25,145.03 15.5,145.28 15.5,146.96 18.09,149.54
-BREQD: length 267.4
  Top w0.2: v1(80.72,122.48) 81.64,123.41 135.11,123.41 135.77,124.07 147.11,124.07 147.37,123.82 158.26,123.82 CAAS1.15 ; v1(23.25,57.95) 23.42,57.78 40.65,57.78 41.16,58.29 77.35,58.29 v1(80.78,61.71) ; GIEK1.11 38.19,20.08 22.97,20.08 v1(21.98,21.07) ; 44.83,21.2 R7.2 39.78,18.68
  Bottom w0.2: v1(80.78,61.71) 80.78,90.42 81.29,90.92 83.96,90.92 84.7,91.67 84.7,116.6 80.72,120.58 v1(80.72,122.48) ; v1(23.25,57.95) 23.25,52.7 21.98,51.43 v1(21.98,21.07)
-BREQI: length 205.4
  Top w0.2: v1(157.23,85.72) 127.01,85.72 ; v1(56.37,31.34) 72.12,31.34 73.41,32.63 75.83,32.63 76.33,33.14 83.19,33.14 83.57,32.76 110.24,32.76 111.39,31.62 120.09,31.62 120.98,32.5 v1(124.21,32.5)
  Bottom w0.2: FMEK1.6 56.47,14.6 56.4,14.6 56.37,14.62 v1(56.37,31.34) ; v1(157.23,85.72) 157.23,94.61 161.17,98.54 161.17,103.5 162.31,104.64 CABM1.25 ; v1(126.75,85.69) 127.99,84.46 127.99,73.87 125.36,71.24 125.36,41.52 126.12,40.76 126.12,35.68 124.21,33.77 v1(124.21,32.5)
-BRRN: length 59.8
  Top w0.2: v1(11.37,141.03) 11.8,141.45 16.88,141.45 X1001.1 ; HEAO1.9 9.98,122.23 v1(10.17,122.42)
  Bottom w0.2: v1(10.17,122.42) 11.56,123.82 11.56,126.99 10.42,128.14 10.42,129.79 10.93,130.29 10.93,140.58 v1(11.37,141.03) ; 17.91,142.36 22.87,142.36 23.12,142.61 23.12,147.57 24.39,148.84 24.39,156.2 24.27,156.33 16.79,156.33 15.55,155.09
-BUSAKI: length 193
  Top w0.2: v1(167.52,117.34) 167.39,117.21 v1(157.23,117.21) ; v1(88.27,104.77) 89.42,103.62 94.12,103.62 94.88,104.39 94.88,105.53 95.51,106.16 105.04,106.16 106.81,104.39 137.1,104.39 137.74,103.75 148.34,103.75 149.61,105.02 152.28,105.02 152.53,104.77 166.12,104.77 v1(167.39,103.5)
  Bottom w0.2: v1(167.39,103.5) 167.39,103.5 CABM1.23 167.39,117.21 v1(167.52,117.34) ; v1(157.23,117.21) 157.23,117.22 CAAS1.14 ; v1(88.27,104.77) 89.67,103.37 89.67,101.36 EQBM1.8 93.48,97.55 93.48,78.86 94.12,78.22 94.12,52.7 94.62,52.19 94.62,50.28 93.48,49.14 93.48,36.44 96.1,33.82 EGEI1.1
-BUSRQ: length 264.7
  Top w0.2: FMDM1.13 62.43,54.04 FMDM1.1 ; v1(160.98,88.06) 160.94,88.11 148.34,88.11 148.34,88.13 147.33,89.15 141.49,89.15 140.72,88.38 124.72,88.38 122.13,90.98 108.52,90.98 105.54,88 92.34,88 89.92,85.59 v1(86.24,85.59) ; v1(86.18,82.1) 84.84,80.76 74.3,80.76 72.53,78.99 72.53,71.11 72.02,70.6 69.1,70.6 v1(67.83,69.33)
  Bottom w0.2: FMDM1.13 66.68,53.21 66.68,68.19 v1(67.83,69.33) ; v1(86.18,82.1) 86.24,82.16 v1(86.24,85.59) ; 160.34,149.97 160.34,148.18 160.8,147.72 173.9,147.72 174.66,146.96 174.66,112.31 173.24,110.89 173.24,108.78 174.71,107.31 174.71,92.4 174.36,92.05 164.97,92.05 v1(160.98,88.06) ; FWEK1.11 51.35,19.8 51.32,19.8 51.32,28.57 52.84,30.09 53.09,30.09 53.98,30.98 53.98,37.84 55.68,39.54 55.68,52.38 FMDM1.1
-BUSY: length 40.8
  Top w0.2: HEAO1.11 10.61,119.69 v1(10.3,120.01)
  Bottom w0.2: v1(10.3,120.01) 9.15,121.15 9.15,131.18 9.66,131.69 9.66,142.23 10.32,142.89 10.32,146.3 12.45,146.3 12.96,146.8 12.96,148.13 14.28,149.45 14.28,150.56 15.55,151.83 15.55,152.55
-CBRQ: length 29.9
  Bottom w0.2: X1006.1 16.77,125.98 16.77,144.39 18.17,145.79 18.17,148.2 19.44,149.47 19.44,151.2 18.09,152.55
-CCLK: length 187.2
  Top w0.2: v1(80.78,22.47) 83.96,22.47 85.22,21.2 v1(88.4,21.2) ; v1(80.78,18.66) 80.78,17.27 78.36,14.85 53.72,14.85 FWEK1.9 ; 73.97,150.01 76.16,147.82 87.13,147.82 87.13,145.41 v1(87.19,145.34)
  Bottom w0.2: v1(87.19,145.34) 87.18,145.33 87.18,136.44 85.86,135.12 85.86,128.14 85.35,127.63 85.35,123.82 84.44,122.9 84.44,121.43 86.52,119.35 86.52,90.9 88.4,89.02 88.4,68.19 89.03,67.56 89.03,52.19 88.4,51.55 v1(88.4,21.2) ; v1(80.78,18.66) v1(80.78,22.47)
-CSMEM: length 139.8
  Top w0.2: v1(102.37,60.57) 103.49,59.45 145.28,59.45 145.55,59.17 v1(177.81,59.17) ; EQDM1.11 93.43,46.42 94.75,47.74 97.16,47.74 98.24,46.66 v1(99.89,46.66)
  Bottom w0.2: v1(99.89,46.66) 101.73,48.51 101.73,59.43 102.37,60.06 v1(102.37,60.57) ; v1(177.81,59.17) 177.81,90.67 179.08,91.94 179.08,96.12 BOBK1.9
-CTCCS: length 191.4
  Top w0.2: v1(29.41,116.13) 29.42,116.15 58.86,116.15 61.48,113.53 61.56,113.61 79.84,113.61 82.51,116.27 112.58,116.27 v1(114.05,114.8) ; v1(24.52,49.27) 23.72,50.07 15.19,50.07 HEDM1.14
  Bottom w0.2: v1(24.52,49.27) 25.15,49.9 25.15,69.95 GSCO1.10 28.19,72.99 28.19,95.87 28.96,96.64 28.96,115.69 v1(29.41,116.13) ; DUAS1.16 113.68,134.87 112.53,133.72 112.53,120.01 114.05,118.48 v1(114.05,114.8)
-D0: length 316.2
  Top w0.2: GQAS1.12 24.89,132.47 GQAS1.2 ; v1(182.97,109.97) 181.49,108.49 176.71,108.49 176.41,108.2 176.41,106.67 171.33,101.59 165.08,101.59 163.58,100.1 163.58,99.18 162.31,97.91 78.62,97.91 76.82,99.71 70.39,99.71 v1(70.37,99.69) 70.37,101.34 68.59,103.12 67.22,103.12 66.07,101.97 66.07,101.89 65.26,101.08 56.29,101.08 53.7,98.49 50.2,98.49 47.71,96 43.9,96 41.23,93.34 30.49,93.34 28.84,91.69 24.65,91.69 23.76,90.8 v1(23.12,90.8) ; FWCM1.19 54.47,82.01 55.76,83.3 59.32,83.3 60.71,81.91 60.82,82.01 FMCM1.19 67.93,82.01 FCCM1.1 ; v1(183.02,142.6) 183.12,142.51 BOAM1.19 ; v1(182.93,115.09) 183.01,115.01 BOBK1.19
  Bottom w0.2: GQAS1.2 20.71,133.37 20.71,131.56 21.09,131.18 22.87,131.18 23.5,130.55 23.5,121.4 21.85,119.75 21.85,111.12 23.25,109.72 23.25,101.47 22.61,100.83 22.61,91.31 v1(23.12,90.8) ; 183.2,142.78 v1(183.02,142.6) ; 183.2,142.78 183.2,149.97 ; 183.2,142.78 180.35,139.93 180.35,117.67 v1(182.93,115.09) 182.97,115.05 v1(182.97,109.97) ; v1(70.37,99.69) 71.76,98.29 71.76,88.38 70.47,87.09 FCCM1.1
